# Altium PCB all.PcbDoc (part 1 of 2)
Units mm, origin at the board's own origin, x right, y up, seen from the top; angles counter-clockwise.
Board outline 118.75 x 150 mm, 2 copper layers (Top Layer, Bottom Layer); 188 components, 149 nets, 745 pads, 106 vias.
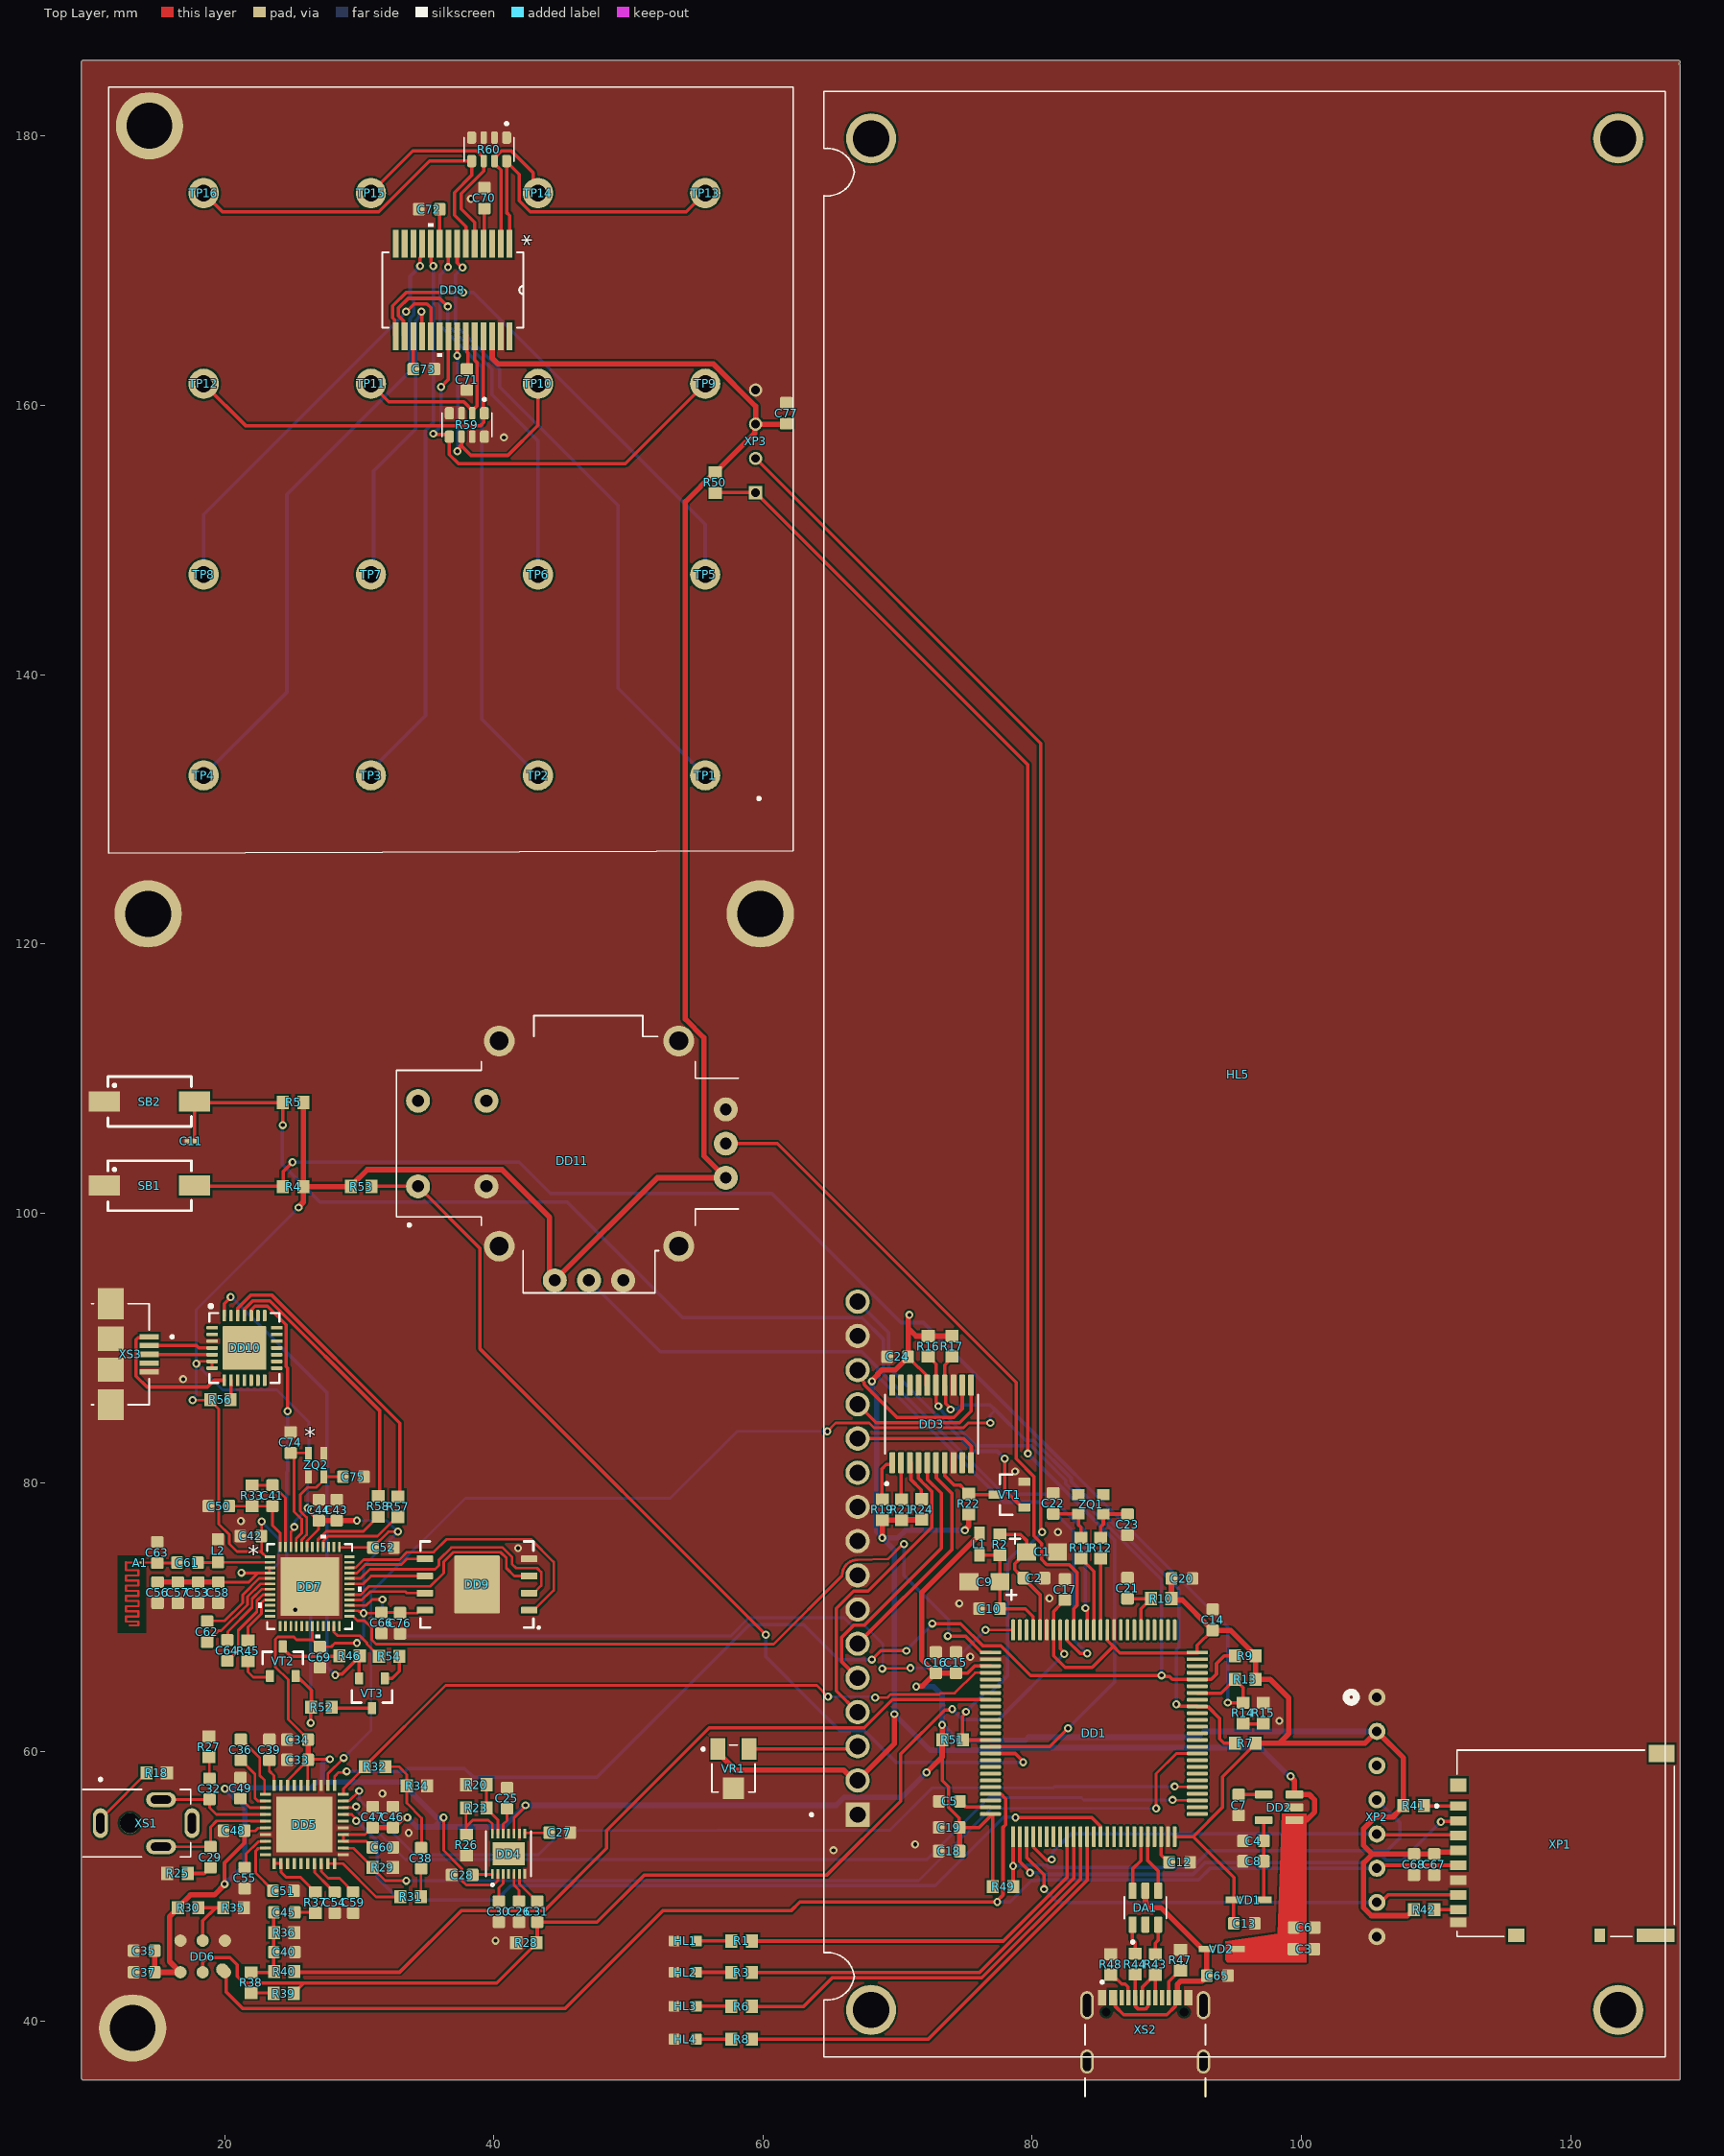
[diagram p0: Top Layer view]
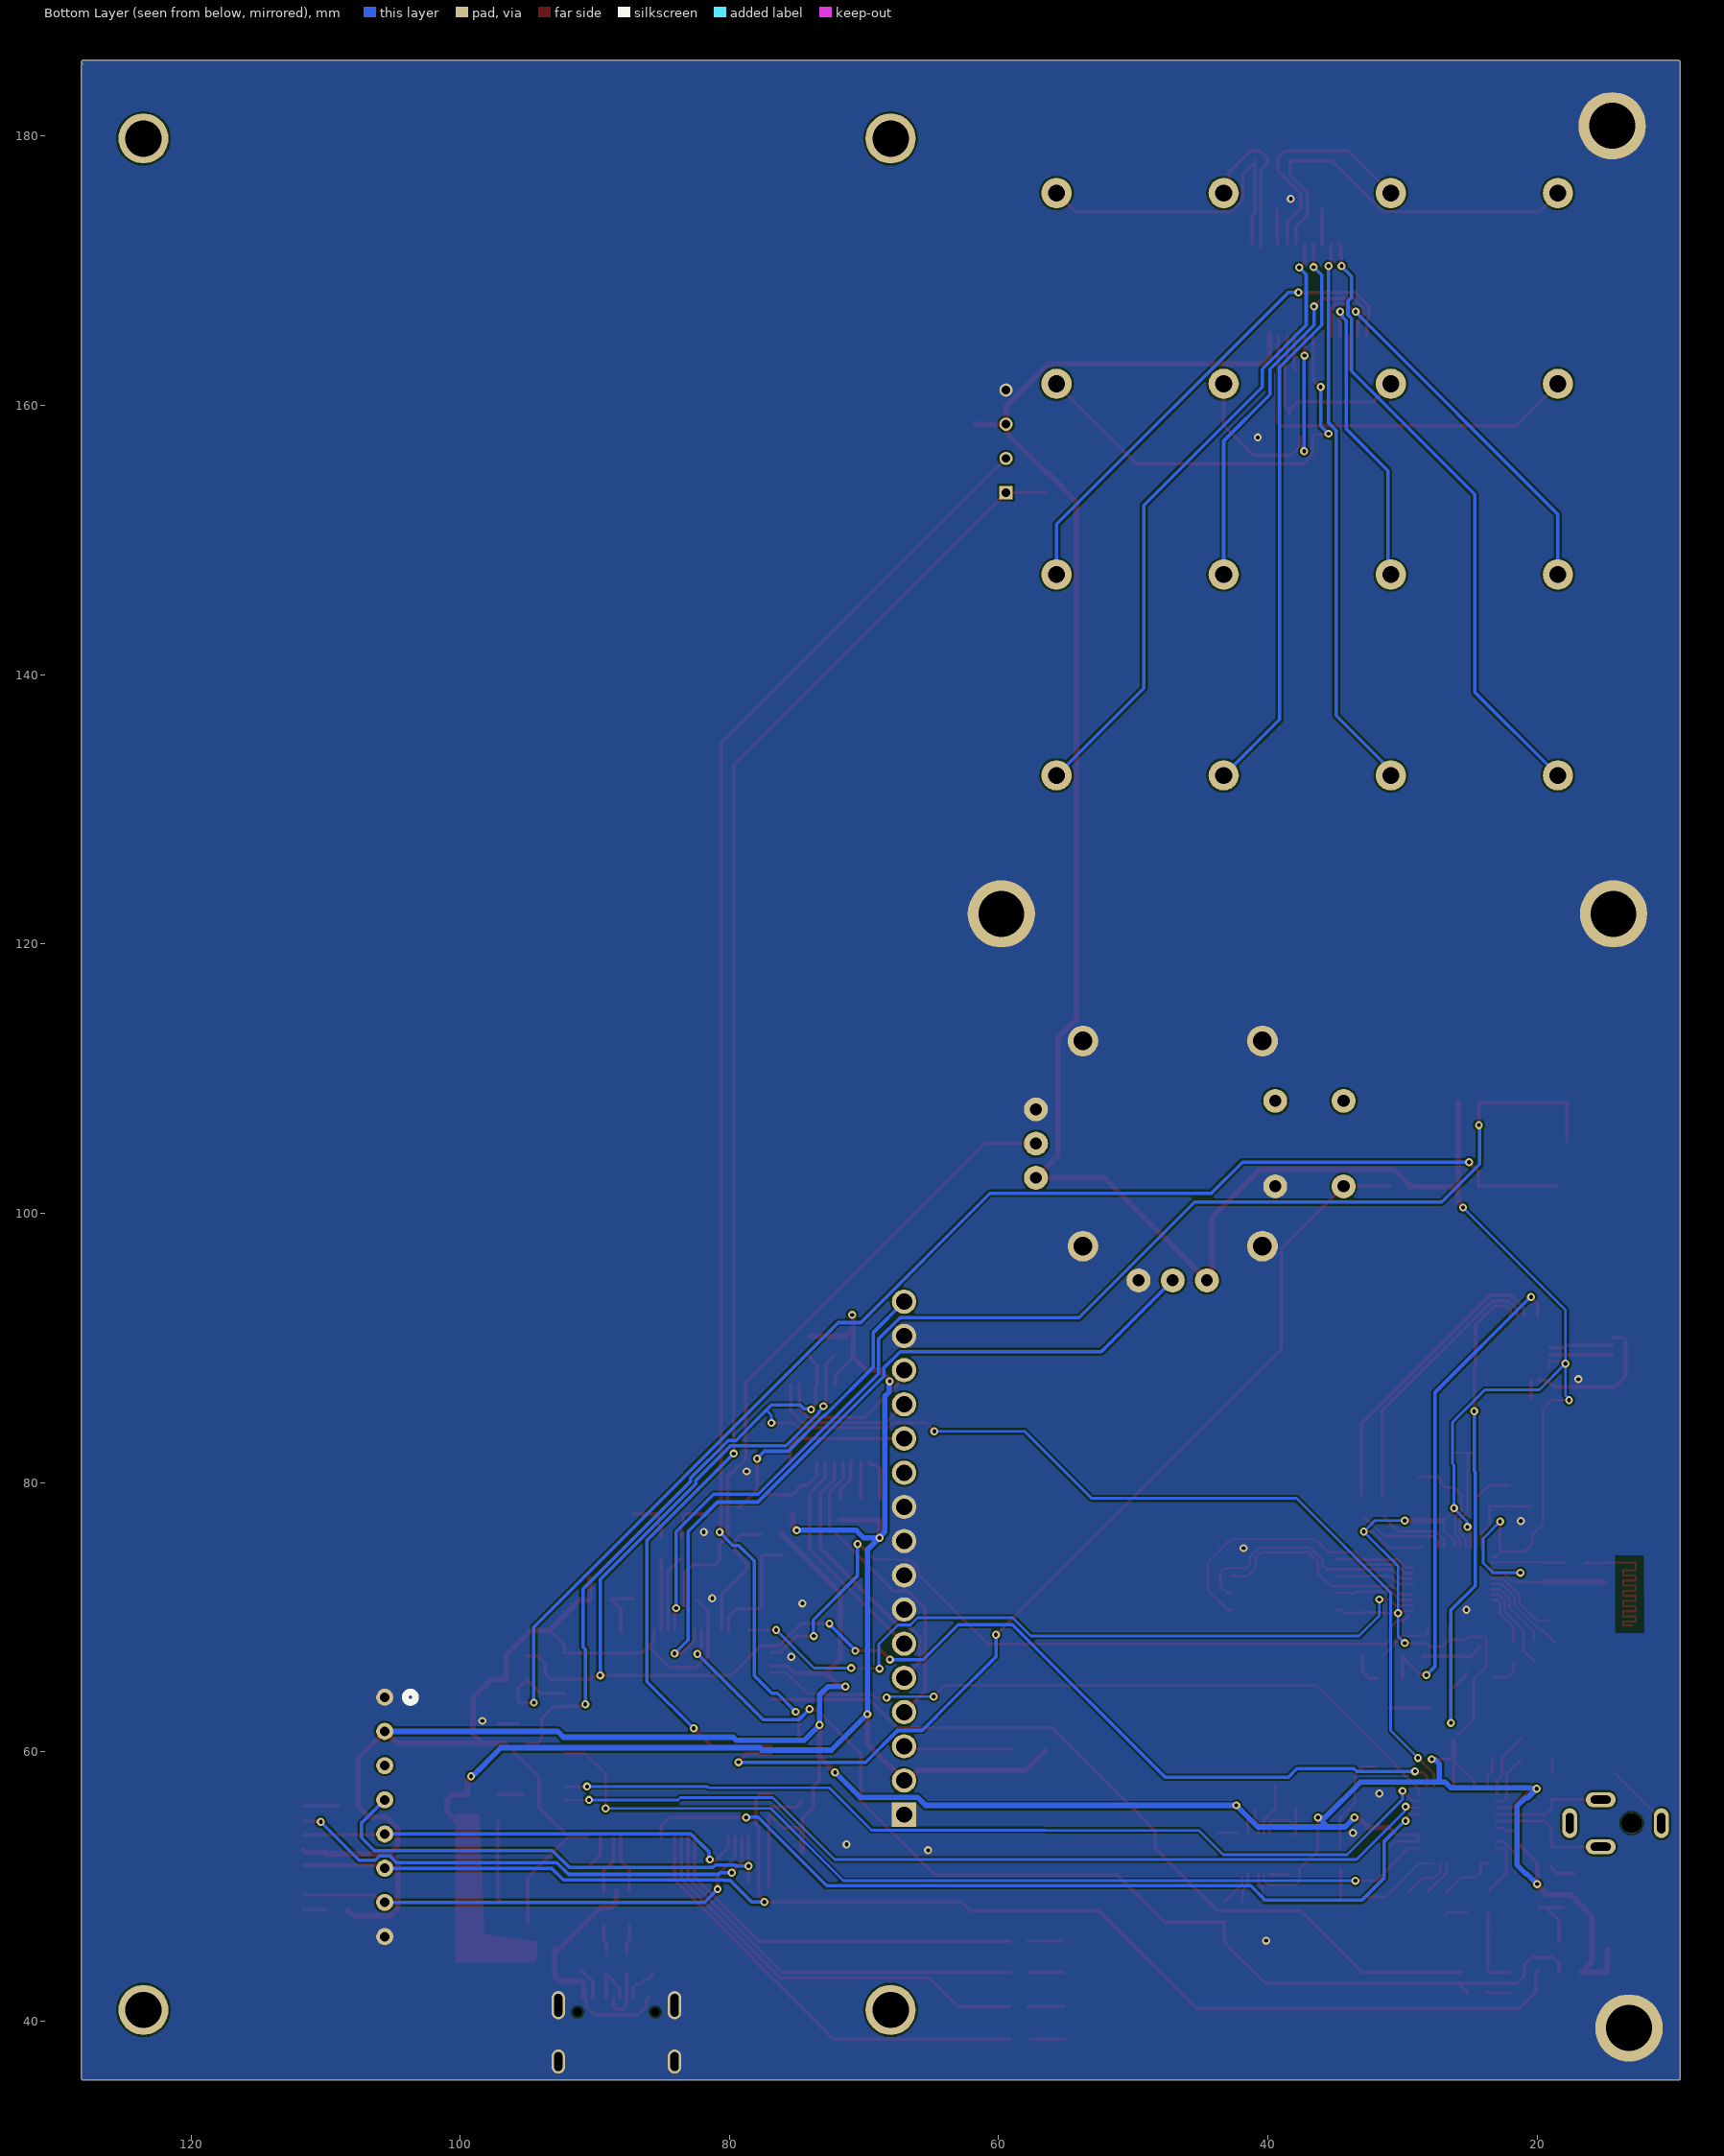
[diagram p1: Bottom Layer view, seen from below]
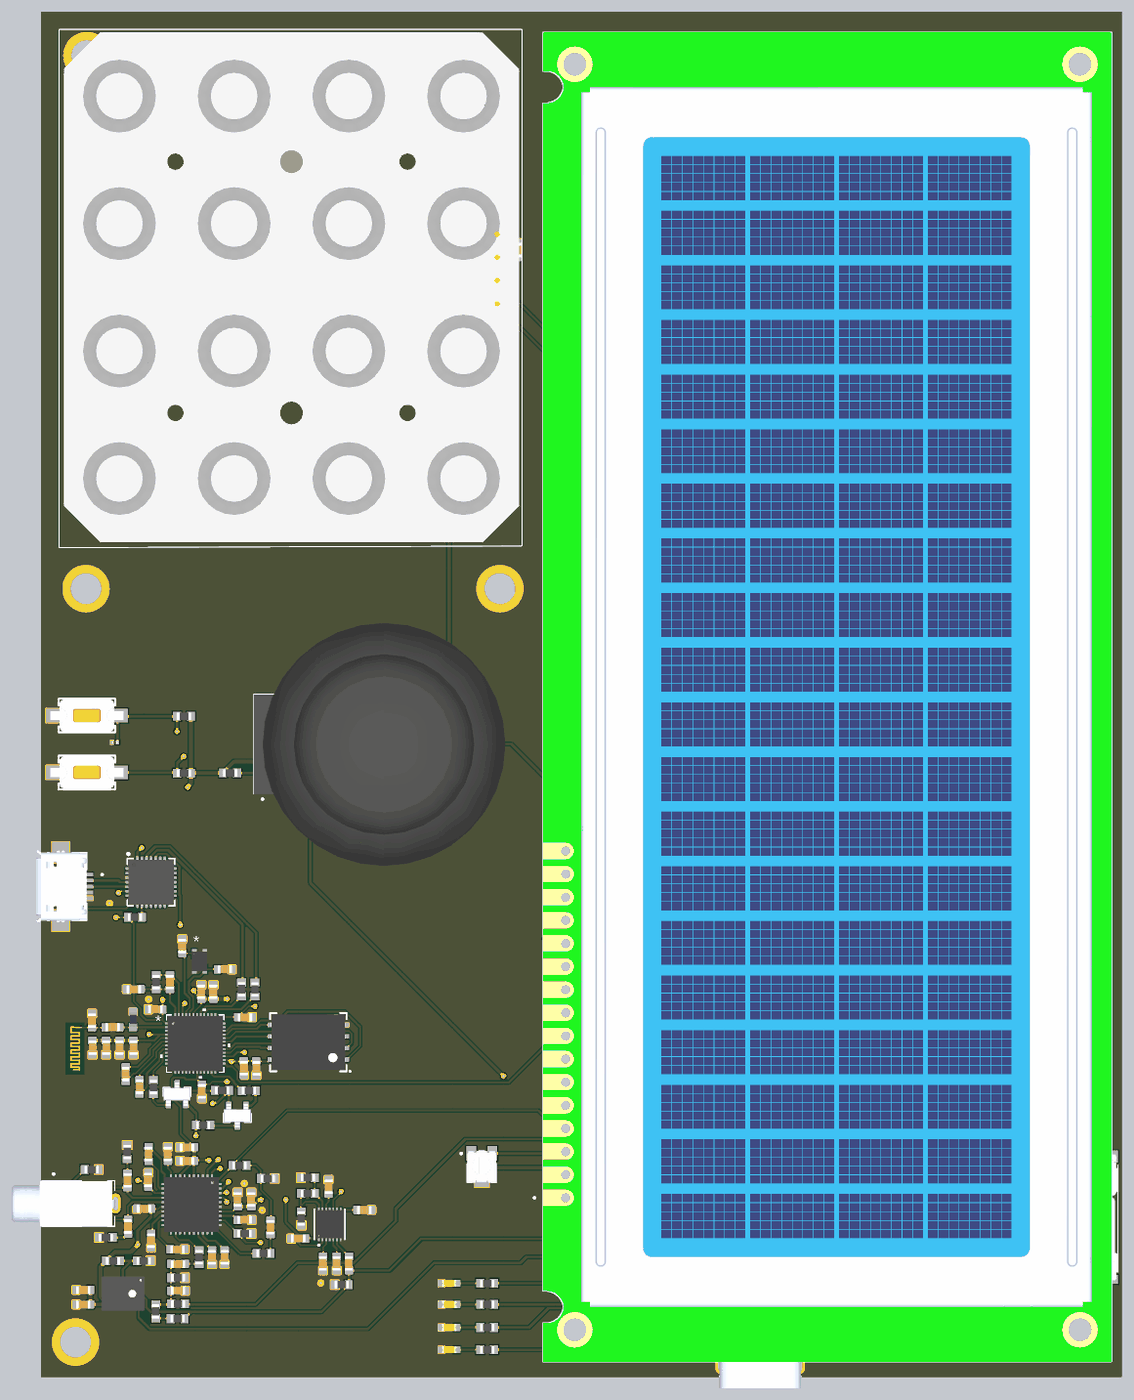
[diagram p3: 3D render of the assembled board from above, using the file's embedded part models]

## Layer stack, top to bottom
Top Solder: solder mask 0.0102, Solder Resist, Dk 3.5
Top Layer: signal copper 0.0356
Dielectric 1: dielectric 0.32, FR-4, Dk 4.8
Bottom Layer: signal copper 0.0356
Bottom Solder: solder mask 0.0102, Solder Resist, Dk 3.5

## Board outline
9.5,35.623 cw(c9.5,35.75) 9.373,35.75 9.373,185.5 cw(c9.5,185.5) 9.5,185.627 128,185.627 cw(c128,185.5) 128.127,185.5 cw(c128,185.5) 128.025,185.375 cw(c128,185.25) 128.127,185.25 128.127,35.75 cw(c128,35.75) 128,35.623

## Design rules (kind name [scope] priority, off if disabled: settings)
Clearance [All] p1: gap=0.15 ignorepadtopadclearanceinfootprint=FALSE
Height [All] p1: minheight=0 maxheight=50 prefheight=12.7
HoleSize [All] p1: absolutevalues=TRUE maxlimit=5 minlimit=0.025 maxpercent=80.000 minpercent=20.000
MinimumSolderMaskSliver [All] p1: minsoldermaskwidth=0.01
PolygonConnect PolygonConnect_4 [All vs IsNamedPolygon('GND_L02_P001')] p1: connectstyle=Direct reliefconductorwidth=0.254 reliefentries=4 polygonreliefangle="90 Angle" airgapwidth=0.254
PolygonConnect PolygonConnect_3 [All vs IsNamedPolygon('GND_L01_P000')] p2: connectstyle=Direct reliefconductorwidth=0.254 reliefentries=4 polygonreliefangle="90 Angle" airgapwidth=0.254
PolygonConnect PolygonConnect_2 [All vs IsNamedPolygon('NONET_L01_P001')] p3: connectstyle=Direct reliefconductorwidth=0.254 reliefentries=4 polygonreliefangle="90 Angle" airgapwidth=0.254
PolygonConnect PolygonConnect_1 [All vs IsNamedPolygon('NONET_L01_P000')] p4: connectstyle=Direct reliefconductorwidth=0.254 reliefentries=4 polygonreliefangle="90 Angle" airgapwidth=0.254
PolygonConnect [All] p5: connectstyle=Relief reliefconductorwidth=0.254 reliefentries=4 polygonreliefangle="90 Angle" airgapwidth=0.254
RoutingVias [All] p1: holewidth=0.711 width=1.27 viastyle="Through Hole" minholewidth=0.3 minwidth=0.6 maxholewidth=0.711 maxwidth=1.27
SilkToSolderMaskClearance [IsPad] p1: minsilkscreentomaskgap=0.01 clearancetoexposedcopper=TRUE
SolderMaskExpansion [All] p1: expansion=0.102 istentingtop=FALSE
SupplyNets "Schematic Supply Nets" [InNet('GND')] p1: voltage=0.000
SupplyNets "Schematic Supply Nets_3" [InNet('VBUS')] p2: voltage=0.000
SupplyNets "Schematic Supply Nets_2" [InNet('3V3')] p3: voltage=0.000
SupplyNets "Schematic Supply Nets_1" [InNet('5V')] p4: voltage=0.000
Width [All] p1: maxlimit=0.5 minlimit=0.15 preferedwidth=0.254
26 further rules are at their usual default settings.

## Components (designator, comment, footprint, x,y, rotation, side; value= is the part's Value field where it differs from the comment)
A1 "Antenna-1-Pin" PCB_ANT 13.75,74.05 r0 top net-tie
C1 "1206  1 мкФ 10% KEMET" C_tantal 80.725,74.85 r0 top value="1 мкФ"
C2 "0603  0.1 u 10% TDK Corporation" C_0603 80.125,72.9 r180 top value="0.1 u"
C3 "0603  1u 10% TDK Corporation" C_0603 100.175,45.35 r180 top value=1u
C4 "0603  1u 10% TDK Corporation" C_0603 96.425,53.375 r0 top value=1u
C5 "0603  2.2 u 10% TDK Corporation" C_0603 73.85,56.325 r0 top value="2.2 u"
C6 "0603  100n 10% TDK Corporation" C_0603 100.2,46.95 r180 top value=100n
C7 "0603  10n 10% TDK Corporation" C_0603 95.325,56.05 r90 top value=10n
C8 "0603  100n 10% TDK Corporation" C_0603 96.425,51.875 r0 top value=100n
C9 "1206  1 мкФ 10% KEMET" C_tantal 76.45,72.625 r180 top value="1 мкФ"
C10 "0603  0.1 u 10% TDK Corporation" C_0603 76.825,70.625 r180 top value="0.1 u"
C11 "0201  0.1 мкФ 10% Murata Electronics" C_0201 17.5,105.35 r0 top value="0.1 мкФ"
C12 "0603  2.2 u 10% TDK Corporation" C_0603 90.95,51.8 r180 top value="2.2 u"
C13 "0603  0.1 u 10% TDK Corporation" C_0603 95.75,47.25 r180 top value="0.1 u"
C14 "0603  0.1 u 10% TDK Corporation" C_0603 93.4,69.8 r270 top value="0.1 u"
C15 "0603  0.1 u 10% TDK Corporation" C_0603 74.325,66.625 r270 top value="0.1 u"
C16 "0603  0.1 u 10% TDK Corporation" C_0603 72.825,66.625 r270 top value="0.1 u"
C17 "0603  0.1 u 10% TDK Corporation" C_0603 82.425,72.05 r270 top value="0.1 u"
C18 "0603  0.1 u 10% TDK Corporation" C_0603 73.825,52.625 r0 top value="0.1 u"
C19 "0603  0.1 u 10% TDK Corporation" C_0603 73.825,54.375 r0 top value="0.1 u"
C20 "0603  0.1 u 10% TDK Corporation" C_0603 91.125,72.875 r180 top value="0.1 u"
C21 "0603  0.1 u 10% TDK Corporation" C_0603 87.075,72.15 r270 top value="0.1 u"
C22 "0603  20 пкФ 0.1% KEMET" C_0603 81.55,78.45 r90 top value="20 пкФ"
C23 "0603  20 пкФ 0.1% KEMET" C_0603 87.075,76.875 r270 top value="20 пкФ"
C24 "0603  0.1 u 10% TDK Corporation" C_0603 70,89.35 r0 top value="0.1 u"
C25 "0603  0.47u 10% TDK Corporation" C_0603 40.975,56.55 r90 top value=0.47u
C26 "0603  1u 10% TDK Corporation" C_0603 41.875,48.125 r270 top value=1u
C27 "0603  0.1u 10% TDK Corporation" C_0603 44.9,54 r0 top value=0.1u
C28 "0603  470n 10% TDK Corporation" C_0603 37.65,50.85 r180 top value=470n
C29 "0603  0.022u 10% TDK Corporation" C_0603 18.95,52.175 r270 top value=0.022u
C30 "0603  2.2u 10% TDK Corporation" C_0603 40.375,48.125 r270 top value=2.2u
C31 "0603  2.2u 10% TDK Corporation" C_0603 43.225,48.125 r270 top value=2.2u
C32 "0603  0.022u 10% TDK Corporation" C_0603 18.875,57.25 r90 top value=0.022u
C33 "0603  0.1u 10% TDK Corporation" C_0603 25.425,59.4 r0 top value=0.1u
C34 "0603  0.1u 10% TDK Corporation" C_0603 25.425,60.9 r0 top value=0.1u
C35 "0603  100n 10% TDK Corporation" C_0603 14.025,45.225 r0 top value=100n
C36 "0603  1u 10% TDK Corporation" C_0603 21.2,60.15 r270 top value=1u
C37 "0603  100u 10% TDK Corporation" C_0603 14.025,43.625 r0 top value=100u
C38 "0603  1u 10% TDK Corporation" C_0603 34.6,52.1 r270 top value=1u
C39 "0603  1u 10% TDK Corporation" C_0603 23.325,60.15 r270 top value=1u
C40 "0603  10n 10% TDK Corporation" C_0603 24.435,45.125 r180 top value=10n
C41 "0603  3.3n 10% TDK Corporation" C_0603 23.55,79.025 r270 top value=3.3n
C42 "0603  0.1u 10% TDK Corporation" C_0603 21.95,76.025 r180 top value=0.1u
C43 "0603  100p 10% TDK Corporation" C_0603 28.325,77.95 r270 top value=100p
C44 "0603  1u 10% TDK Corporation" C_0603 27,77.95 r270 top value=1u
C45 "0603  1u 10% TDK Corporation" C_0603 24.435,48.075 r0 top value=1u
C46 "0603  0.1u 10% TDK Corporation" C_0603 32.5,55.15 r270 top value=0.1u
C47 "0603  0.1u 10% TDK Corporation" C_0603 31,55.15 r270 top value=0.1u
C48 "0603  0.1u 10% TDK Corporation" C_0603 20.7,54.15 r0 top value=0.1u
C49 "0603  0.1u 10% TDK Corporation" C_0603 21.175,57.3 r270 top value=0.1u
C50 "0603  10n 10% TDK Corporation" C_0603 19.575,78.25 r0 top value=10n
C51 "0603  1u 10% TDK Corporation" C_0603 24.375,49.675 r0 top value=1u
C52 "0603  0.1u 10% TDK Corporation" C_0603 31.8,75.175 r0 top value=0.1u
C53 "0603  10u 10% TDK Corporation" C_0603 18.025,71.825 r270 top value=10u
C54 "0603  150p 10% TDK Corporation" C_0603 28.175,48.8 r270 top value=150p
C55 "0603  1u 10% TDK Corporation" C_0603 21.5,50.625 r270 top value=1u
C56 "0603  1u 10% TDK Corporation" C_0603 15.025,71.825 r90 top value=1u
C57 "0603  10u 10% TDK Corporation" C_0603 16.525,71.825 r90 top value=10u
C58 "0603  0.1u 10% TDK Corporation" C_0603 19.525,71.825 r90 top value=0.1u
C59 "0603  150p 10% TDK Corporation" C_0603 29.55,48.8 r90 top value=150p
C60 "0603  0.1u 10% TDK Corporation" C_0603 31.75,52.9 r180 top value=0.1u
C61 "0603  TBD 10% TDK Corporation" C_0603 17.25,74.05 r180 top value=TBD
C62 "0603  270p 10% TDK Corporation" C_0603 18.7,68.925 r270 top value=270p
C63 "0603  TBD 10% TDK Corporation" C_0603 15,74.8 r270 top value=TBD
C64 "0603  270p 10% TDK Corporation" C_0603 20.2,67.525 r90 top value=270p
C65 "0603  100n 10% TDK Corporation" C_0603 93.75,43.375 r0 top value=100n
C66 "0603  1u 10% TDK Corporation" C_0603 31.65,69.575 r90 top value=1u
C67 "0603  10u 10% TDK Corporation" C_0603 109.85,51.625 r90 top value=10u
C68 "0603  100n 10% TDK Corporation" C_0603 108.35,51.625 r90 top value=100n
C69 "0603  0.1u 10% TDK Corporation" C_0603 27.075,67.025 r270 top value=0.1u
C70 "0603  22p 10% TDK Corporation" C_0603 39.3,175.4 r270 top value=22p
C71 "0603  22p 10% TDK Corporation" C_0603 38,161.925 r270 top value=22p
C72 "0603  22p 10% TDK Corporation" C_0603 35.2,174.575 r0 top value=22p
C73 "0603  22p 10% TDK Corporation" C_0603 34.8,162.7 r0 top value=22p
C74 "0603  15p 10% TDK Corporation" C_0603 24.9,82.975 r270 top value=15p
C75 "0603  15p 10% TDK Corporation" C_0603 29.575,80.425 r180 top value=15p
C76 "0603  1u 10% TDK Corporation" C_0603 33.025,69.55 r90 top value=1u
C77 "0603  100n 10% TDK Corporation" C_0603 61.725,159.425 r90 top value=100n
DA1 "USBLC6-2SC6" SOT-23-6L 88.4,48.425 r90 top
DD1 "STM32F407VGT6" STM32F407VGT6 84.575,61.375 r270 top
DD2 "LD3985M33R" LD3985M33R 98.325,55.875 r180 top
DD3 "PCF8574T NXP USA Inc." PCF8574TS 72.525,84.35 r90 top
DD4 "MAX9814ETD+T Analog Devices Inc./Maxim Integrated" MAX9814 41.125,52.425 r90 top
DD5 "CS43L22" CS43L22 25.925,54.6 r270 top
DD6 "MP45DT02" MP45DT02 18.375,44.8 r270 top
DD7 "ESP32-DOWDQ6 *" ESP 26.3,72.275 r0 top
DD8 "CP2102-GM" 28-SSOP 36.95,168.575 r270 top
DD9 "W25Q32FVSSIG" W25QxxxJVEIQ-127P800X80_MED 38.75,72.425 r180 top
DD10 "CP2102-GM" QFN-28_5x5mm 21.475,90 r0 top
DD11 "Thumb Joystick" XDCR_COM-09032 47.07,105.175 r90 top
HL1 "XPEBFR-LS-0000-00A01" LED 54.15,45.95 r180 top
HL2 "XPEBFR-LS-0000-00A01" LED 54.15,43.625 r180 top
HL3 "XPEBFR-LS-0000-00A01" LED 54.15,41.1 r180 top
HL4 "XPEBFR-LS-0000-00A01" LED 54.15,38.65 r180 top
HL5 "LCD" lcd 95.775,110.33 r90 top locked
L1 "FCM 1608KF-601T03" INDUCTION 76.075,75.425 r270 top
L2 "FCM 1608KF-601T03" FB0603 19.5,74.925 r270 top
R1 "0603 0 В 680R 1% Keystone Electronics" R0_0603 58.4,45.95 r180 top value=680R
R2 "0603 В 4.7 K 1% Keystone Electronics" R0_0603 77.575,75.375 r270 top value="4.7 K"
R3 "0603 0 В 680R 1% Keystone Electronics" R0_0603 58.4,43.625 r180 top value=680R
R4 "0603 В 4.7 K 1% Keystone Electronics" R0_0603 25.1,101.975 r0 top value="4.7 K"
R5 "0603 В 4.7 K 1% Keystone Electronics" R0_0603 25.1,108.225 r0 top value="4.7 K"
R6 "0603 0 В 680R 1% Keystone Electronics" R0_0603 58.4,41.1 r180 top value=680R
R7 "0603 0 В 4.7k 1% Keystone Electronics" R0_0603 95.825,60.625 r0 top value=4.7k
R8 "0603 0 В 680R 1% Keystone Electronics" R0_0603 58.4,38.65 r180 top value=680R
R9 "0603 0 В 4.7k 1% Keystone Electronics" R0_0603 95.825,67.125 r0 top value=4.7k
R10 "0603 В 4.7 K 1% Keystone Electronics" R0_0603 89.575,71.375 r0 top value="4.7 K"
R11 "0603 В 4.7 K 1% Keystone Electronics" R0_0603 83.6,75.125 r270 top value="4.7 K"
R12 "0603 В 4.7 K 1% Keystone Electronics" R0_0603 85.075,75.125 r270 top value="4.7 K"
R13 "0603 В 4.7 K 1% Keystone Electronics" R0_0603 95.825,65.375 r0 top value="4.7 K"
R14 "0603 В 4.7 K 1% Keystone Electronics" R0_0603 95.675,62.875 r90 top value="4.7 K"
R15 "0603 В 0R 1% Keystone Electronics" R0_0603 97.175,62.875 r90 top value=0R